# KiCad board Marble.kicad_pcb (continued)
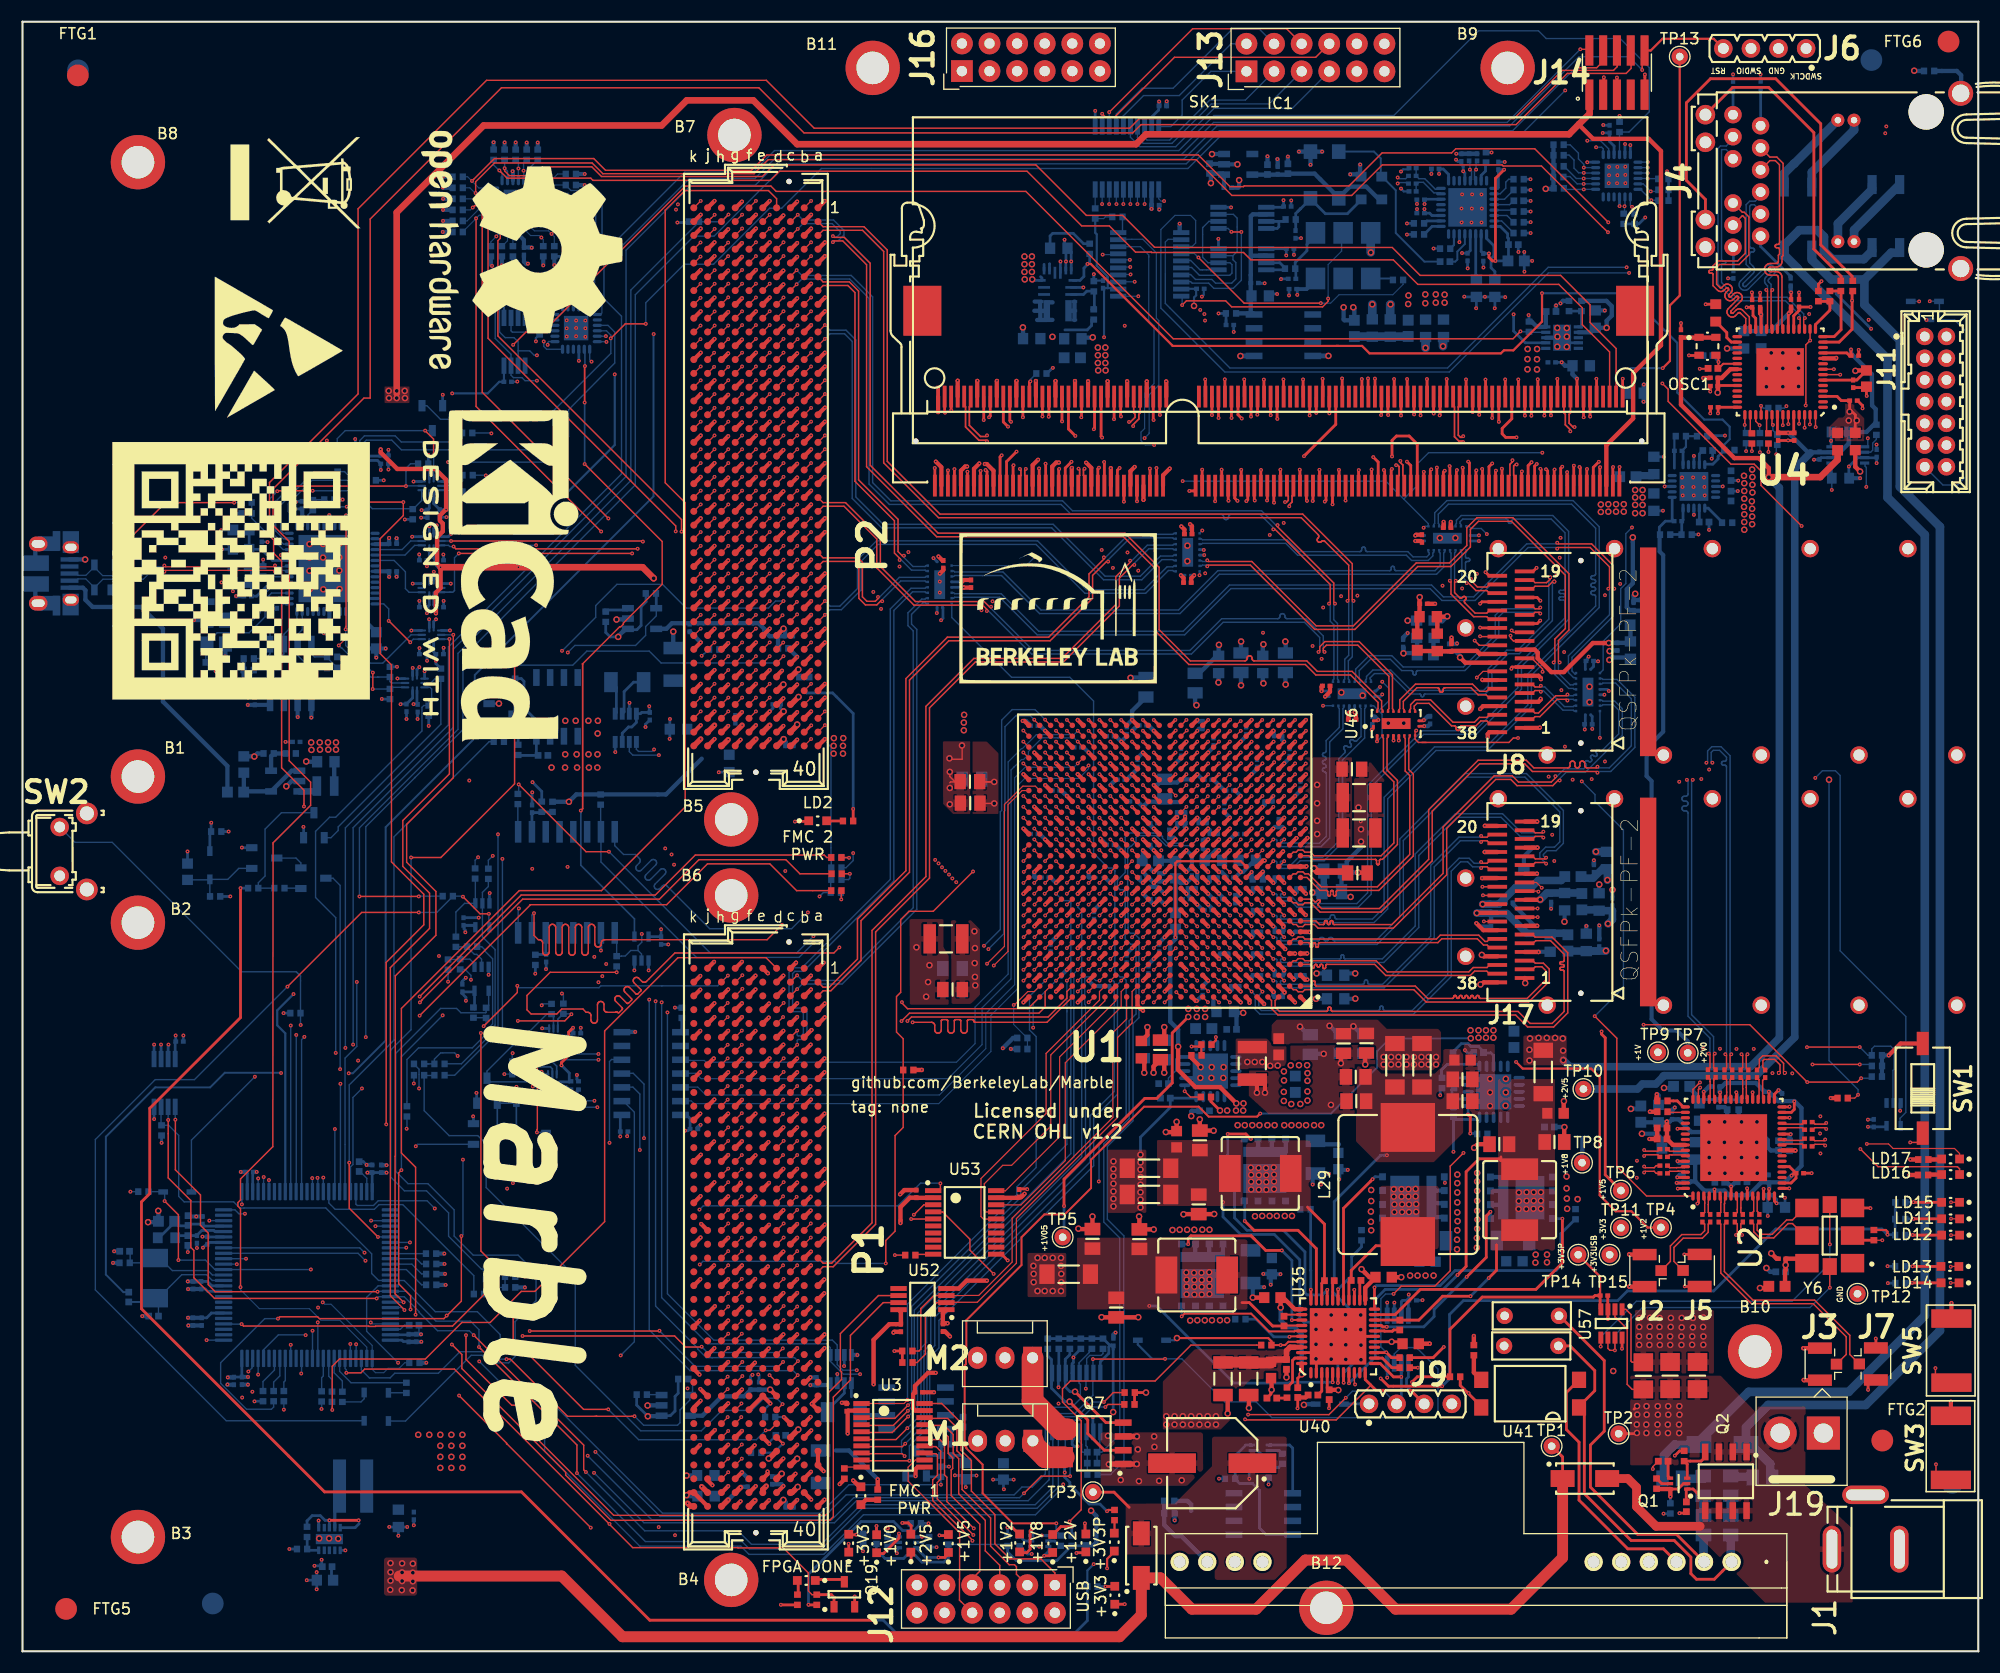
[diagram p0: board, top side]
## Routing (per net, layer and track width the routed paths; a pad name or vN(x,y) marks a point on that pad's centre or on a via; arc(x,y) is an arc through that point) (continued)
/SDRAM/DDR3_DM4: length 44.4
  Top w0.254: U1.AC3 v1(116.12,82.73) ; v1(126.87,113.76) 126.87,113.76 SK1.136
  In4.Cu w0.135: v1(126.87,113.76) 126.87,115.67 127.16,115.97 127.42,115.97 127.71,115.67 127.71,115.07 127.71,115.01 127.73,114.96 127.76,114.92 127.8,114.88 127.84,114.85 127.89,114.83 128,114.82 128.05,114.8 128.1,114.77 128.14,114.74 128.16,114.69 128.18,114.64 128.19,114.59 128.19,114.47 128.18,114.41 128.16,114.36 128.14,114.32 128.1,114.28 128.05,114.25 128,114.23 127.89,114.22 127.84,114.2 127.8,114.17 127.76,114.14 127.73,114.09 127.71,114.04 127.71,113.99 127.71,112.92 128.54,112.09 128.54,106.09 119.16,96.71 119.16,94.81 118.2,93.84 118.2,87.3 116.47,85.58 116.47,83.08 v1(116.12,82.73)
/SDRAM/DDR3_DM5: length 39.6
  Top w0.2: 115.12,83.73 v1(115.15,83.73)
  Top w0.254: v1(132.01,108.73) 131.97,108.68 SK1.153 ; U1.AD4 115.12,83.73
  In7.Cu w0.135: v1(132.01,108.73) 131.28,108 131.23,107.96 131.17,107.93 131.1,107.91 131.04,107.91 130.97,107.93 130.91,107.96 130.86,108 130.71,108.15 130.66,108.19 130.6,108.22 130.53,108.23 130.46,108.23 130.4,108.22 130.34,108.19 130.29,108.15 130.24,108.09 130.22,108.03 130.2,107.97 130.2,107.9 130.22,107.84 130.24,107.77 130.29,107.72 131.01,107 131.05,106.95 131.08,106.89 131.09,106.82 131.09,106.75 131.08,106.69 131.05,106.63 131.01,106.58 130.96,106.53 130.89,106.5 130.83,106.49 130.76,106.49 130.7,106.5 130.64,106.53 130.58,106.58 129.86,107.3 129.81,107.34 129.75,107.37 129.68,107.38 129.62,107.38 129.55,107.37 129.49,107.34 129.44,107.3 129.4,107.25 129.37,107.18 129.35,107.12 129.35,107.05 129.37,106.99 129.4,106.93 129.44,106.87 129.59,106.72 129.63,106.67 129.66,106.61 129.67,106.55 129.67,106.48 129.66,106.41 129.63,106.35 129.59,106.3 124.7,101.41 124.7,93.73 120.62,89.65 120.62,86.46 118.54,84.38 115.8,84.38 v1(115.15,83.73)
/SDRAM/DDR3_DM6: length 48.5
  Top w0.254: U1.W1 v1(118.12,78.73) ; SK1.170 137.07,113.45 136.18,112.56 136.18,112.07 136.51,111.74 v1(137.5,111.74)
  In7.Cu w0.135: v1(118.12,78.73) 120.14,78.73 126.65,85.24 126.65,89.12 129.66,92.12 129.66,98.88 133.69,102.91 133.69,102.94 133.87,103.12 133.89,103.12 137.5,106.72 137.5,108.72 137.86,109.08 137.86,111.38 v1(137.5,111.74)
/SDRAM/DDR3_DM7: length 57.3
  Top w0.254: U1.U7 v1(112.12,76.73) ; SK1.187 142.16,107.3 v1(142.16,108.54)
  In4.Cu w0.135: v1(112.12,76.73) 112.46,77.07 112.95,77.07 113.37,77.49 113.85,77.49 113.95,77.39 119.3,77.39 120.24,78.32 121.36,78.32 122.78,79.7 123.12,79.7 127.91,84.48 127.91,85.31 130.07,87.47 130.07,94.99 131.01,95.93 134.33,95.93 137.92,99.52 137.92,102.02 138.84,102.94 138.87,102.98 138.89,103.03 138.9,103.07 138.9,103.12 138.89,103.17 138.87,103.22 138.81,103.3 138.79,103.34 138.77,103.39 138.77,103.44 138.79,103.49 138.81,103.54 138.84,103.57 138.95,103.68 138.99,103.71 139.03,103.74 139.08,103.75 139.13,103.75 139.18,103.74 139.22,103.71 139.26,103.68 139.54,103.4 139.57,103.38 139.61,103.36 139.65,103.35 139.69,103.35 139.72,103.36 139.76,103.38 139.79,103.4 139.97,103.58 139.99,103.61 140.01,103.65 140.02,103.68 140.02,103.72 140.01,103.76 139.99,103.8 139.97,103.83 139.69,104.11 139.66,104.15 139.63,104.19 139.62,104.24 139.62,104.29 139.63,104.34 139.66,104.38 139.69,104.42 139.79,104.53 139.83,104.56 139.88,104.58 139.93,104.59 139.98,104.59 140.03,104.58 140.07,104.56 140.11,104.53 140.39,104.25 140.42,104.23 140.46,104.21 140.5,104.2 140.53,104.2 140.57,104.21 140.61,104.23 140.64,104.25 140.82,104.43 140.84,104.46 140.86,104.49 140.87,104.53 140.87,104.57 140.86,104.61 140.84,104.64 140.82,104.67 140.54,104.95 140.5,104.99 140.48,105.04 140.47,105.09 140.47,105.14 140.48,105.19 140.5,105.23 140.54,105.27 140.64,105.38 140.68,105.41 140.73,105.43 140.78,105.44 140.83,105.44 140.88,105.43 140.92,105.41 140.96,105.38 141.24,105.1 141.27,105.07 141.31,105.06 141.34,105.05 141.38,105.05 141.42,105.06 141.46,105.07 141.49,105.1 141.67,105.28 141.69,105.31 141.71,105.34 141.71,105.38 141.71,105.42 141.71,105.46 141.69,105.49 141.67,105.52 141.54,105.65 141.54,105.65 141.35,105.84 141.31,105.89 141.28,105.94 141.27,106 141.27,106.06 141.28,106.12 141.31,106.18 141.35,106.23 141.39,106.26 141.43,106.3 141.49,106.33 141.55,106.34 141.61,106.34 141.67,106.33 141.73,106.3 141.82,106.23 141.88,106.2 141.94,106.19 142,106.19 142.06,106.2 142.11,106.23 142.16,106.26 v1(142.16,108.54)
/SDRAM/DDR3_DQ0: length 47.8
  Top w0.254: SK1.5 85.17,108.69 v1(85.18,108.7) ; U1.AF20 v1(98.12,85.73)
  In7.Cu w0.135: v1(85.18,108.7) 85.18,108.14 91.91,101.41 91.91,99.42 93.99,97.34 94.03,97.3 94.08,97.28 94.13,97.27 94.19,97.27 94.24,97.28 94.29,97.3 94.37,97.37 94.42,97.4 94.47,97.41 94.53,97.41 94.58,97.4 94.63,97.37 94.67,97.34 94.75,97.26 94.79,97.21 94.81,97.16 94.82,97.11 94.82,97.06 94.81,97.01 94.79,96.96 94.75,96.91 94.24,96.4 94.2,96.35 94.17,96.29 94.16,96.22 94.16,96.16 94.17,96.09 94.2,96.03 94.24,95.98 94.29,95.94 94.35,95.91 94.42,95.89 94.49,95.89 94.55,95.91 94.61,95.94 94.67,95.98 95.18,96.49 95.22,96.52 95.27,96.55 95.32,96.56 95.38,96.56 95.43,96.55 95.48,96.52 95.52,96.49 95.6,96.41 95.64,96.36 95.66,96.32 95.67,96.26 95.67,96.21 95.66,96.16 95.64,96.11 95.6,96.07 94.98,95.45 94.94,95.39 94.91,95.33 94.9,95.27 94.9,95.2 94.91,95.14 94.94,95.08 94.98,95.02 95.04,94.98 95.1,94.95 95.16,94.94 95.23,94.94 95.29,94.95 95.36,94.98 95.41,95.02 95.86,95.47 95.86,95.46 96.03,95.64 96.07,95.67 96.12,95.69 96.18,95.7 96.23,95.7 96.28,95.69 96.33,95.67 96.37,95.64 96.46,95.55 96.49,95.51 96.51,95.46 96.53,95.41 96.53,95.35 96.51,95.3 96.49,95.25 96.42,95.17 96.4,95.12 96.39,95.07 96.39,95.01 96.4,94.96 96.42,94.91 96.46,94.87 96.49,94.83 96.49,94.1 96.48,94.03 96.46,93.97 96.43,93.91 96.38,93.87 96.32,93.83 96.26,93.81 96.19,93.8 95.86,93.8 95.79,93.79 95.73,93.77 95.67,93.74 95.62,93.69 95.59,93.63 95.57,93.57 95.56,93.5 95.57,93.43 95.59,93.37 95.62,93.31 95.67,93.27 95.73,93.23 95.79,93.21 95.86,93.2 97.12,93.2 97.19,93.19 97.25,93.17 97.31,93.14 97.36,93.09 97.4,93.03 97.42,92.97 97.42,92.9 97.42,92.83 97.4,92.77 97.36,92.71 97.31,92.67 97.25,92.63 97.19,92.61 97.12,92.6 95.86,92.6 95.79,92.59 95.73,92.57 95.67,92.54 95.62,92.49 95.59,92.43 95.57,92.37 95.56,92.3 95.57,92.23 95.59,92.17 95.62,92.11 95.67,92.07 95.73,92.03 95.79,92.01 95.86,92 97.12,92 97.19,91.99 97.25,91.97 97.31,91.94 97.36,91.89 97.4,91.83 97.42,91.77 97.42,91.7 97.42,91.63 97.4,91.57 97.36,91.51 97.31,91.47 97.25,91.43 97.19,91.41 97.12,91.4 95.86,91.4 95.79,91.39 95.73,91.37 95.67,91.34 95.62,91.29 95.59,91.23 95.57,91.17 95.56,91.1 95.57,91.03 95.59,90.97 95.62,90.91 95.67,90.87 95.73,90.83 95.79,90.81 95.86,90.8 97.12,90.8 97.19,90.79 97.25,90.77 97.31,90.74 97.36,90.69 97.4,90.63 97.42,90.57 97.42,90.5 97.42,90.43 97.4,90.37 97.36,90.31 97.31,90.27 97.25,90.23 97.19,90.21 97.12,90.2 96.79,90.2 96.73,90.19 96.66,90.17 96.6,90.14 96.56,90.09 96.52,90.03 96.5,89.97 96.49,89.9 96.49,89.6 96.84,89.25 96.89,89.2 96.92,89.14 96.93,89.07 96.93,89 96.92,88.94 96.89,88.88 96.84,88.82 96.61,88.59 96.57,88.54 96.54,88.48 96.52,88.41 96.52,88.34 96.54,88.28 96.57,88.22 96.61,88.16 96.66,88.12 96.72,88.09 96.79,88.08 96.85,88.08 96.92,88.09 96.98,88.12 97.03,88.16 97.93,89.06 97.98,89.1 98.04,89.13 98.11,89.15 98.17,89.15 98.24,89.13 98.3,89.1 98.35,89.06 98.39,89.01 98.42,88.95 98.44,88.88 98.44,88.81 98.42,88.75 98.39,88.69 98.35,88.64 98.12,88.4 98.08,88.35 98.05,88.29 98.03,88.22 98.03,88.15 98.05,88.09 98.08,88.03 98.12,87.98 v1(98.12,85.73)
/SDRAM/DDR3_DQ1: length 47.7
  Top w0.254: v1(85.77,108.82) 85.77,108.81 SK1.7 ; U1.AF19 v1(99.12,85.73)
  In7.Cu w0.135: v1(85.77,108.82) 85.82,108.77 85.82,107.95 92.52,101.26 92.52,99.9 93.02,99.39 93.06,99.35 93.08,99.3 93.1,99.24 93.1,99.19 93.08,99.13 93.06,99.08 92.99,99 92.97,98.95 92.95,98.89 92.95,98.84 92.97,98.78 92.99,98.73 93.02,98.69 93.1,98.62 93.14,98.58 93.19,98.56 93.24,98.54 93.3,98.54 93.35,98.56 93.41,98.58 93.45,98.62 94.12,99.29 94.17,99.33 94.23,99.36 94.3,99.37 94.37,99.37 94.43,99.36 94.49,99.33 94.54,99.29 94.59,99.23 94.62,99.17 94.63,99.11 94.63,99.04 94.62,98.98 94.59,98.92 94.54,98.86 93.87,98.19 93.84,98.15 93.81,98.1 93.8,98.04 93.8,97.99 93.81,97.93 93.84,97.88 93.87,97.84 93.94,97.77 93.99,97.73 94.04,97.71 94.09,97.7 94.15,97.7 94.2,97.71 94.25,97.73 94.3,97.77 94.97,98.44 95.02,98.48 95.08,98.51 95.15,98.52 95.21,98.52 95.28,98.51 95.34,98.48 95.39,98.44 95.44,98.39 95.46,98.33 95.48,98.26 95.48,98.19 95.46,98.13 95.44,98.07 95.39,98.01 95.11,97.73 95.07,97.68 95.04,97.62 95.02,97.55 95.02,97.49 95.04,97.42 95.07,97.36 95.12,97.3 95.12,97.29 95.12,97.28 95.12,97.27 95.12,97.26 95.12,97.25 95.1,97.23 95.1,97.22 95.1,97.21 95.1,97.2 95.1,97.18 95.1,97.17 95.11,97.17 95.46,96.81 95.47,96.81 95.48,96.8 95.49,96.8 95.51,96.8 95.52,96.8 95.53,96.81 95.53,96.81 96.07,97.34 96.12,97.38 96.18,97.41 96.24,97.43 96.31,97.43 96.38,97.41 96.44,97.38 96.49,97.34 96.53,97.29 96.56,97.23 96.58,97.16 96.58,97.1 96.56,97.03 96.53,96.97 96.49,96.92 95.96,96.39 95.95,96.38 95.95,96.37 95.94,96.36 95.94,96.35 95.95,96.34 95.95,96.33 95.96,96.32 96.31,95.96 96.32,95.96 96.33,95.95 96.34,95.95 96.35,95.95 96.36,95.95 96.37,95.96 96.38,95.96 96.91,96.49 96.97,96.54 97.03,96.57 97.09,96.58 97.16,96.58 97.22,96.57 97.29,96.54 97.34,96.49 97.38,96.44 97.41,96.38 97.42,96.32 97.42,96.25 97.41,96.18 97.38,96.12 97.34,96.07 96.79,95.52 96.78,95.51 96.77,95.49 96.77,95.48 96.77,95.46 96.77,95.44 96.78,95.43 96.79,95.42 97.11,95.1 97.12,95.09 97.14,95.08 97.15,95.08 97.17,95.08 97.19,95.08 97.2,95.09 97.21,95.1 97.76,95.65 97.81,95.69 97.88,95.72 97.94,95.73 98.01,95.73 98.07,95.72 98.13,95.69 98.19,95.65 98.23,95.59 98.26,95.53 98.27,95.47 98.27,95.4 98.26,95.33 98.23,95.27 98.19,95.22 97.2,94.23 97.15,94.18 97.13,94.12 97.11,94.05 97.11,93.99 97.13,93.92 97.15,93.86 97.2,93.81 97.25,93.77 97.31,93.74 97.38,93.72 97.44,93.72 97.51,93.74 97.57,93.77 97.62,93.81 98.61,94.8 98.66,94.84 98.72,94.87 98.79,94.88 98.86,94.88 98.92,94.87 98.98,94.84 99.04,94.8 99.08,94.74 99.11,94.68 99.12,94.62 99.12,94.55 99.11,94.49 99.08,94.43 99.04,94.37 98.75,94.09 98.71,94.04 98.68,93.98 98.67,93.91 98.67,93.84 98.68,93.78 98.71,93.72 98.75,93.67 99.12,93.3 99.12,93 99.11,92.93 99.09,92.87 99.05,92.81 99.01,92.76 98.95,92.73 98.89,92.71 98.82,92.7 98.42,92.7 98.35,92.69 98.29,92.67 98.23,92.63 98.19,92.59 98.15,92.53 98.13,92.46 98.12,92.4 98.13,92.33 98.15,92.27 98.19,92.21 98.23,92.16 98.29,92.13 98.35,92.11 98.42,92.1 98.82,92.1 98.89,92.09 98.95,92.07 99.01,92.03 99.05,91.99 99.09,91.93 99.11,91.86 99.12,91.8 99.11,91.73 99.09,91.67 99.05,91.61 99.01,91.56 98.95,91.53 98.89,91.51 98.82,91.5 98.42,91.5 98.35,91.49 98.29,91.47 98.23,91.43 98.19,91.39 98.15,91.33 98.13,91.26 98.12,91.2 98.13,91.13 98.15,91.07 98.19,91.01 98.23,90.96 98.29,90.93 98.35,90.91 98.42,90.9 98.82,90.9 98.89,90.89 98.95,90.87 99.01,90.83 99.05,90.79 99.09,90.73 99.11,90.66 99.12,90.6 v1(99.12,85.73)
/SDRAM/DDR3_DQ2: length 47.7
  Top w0.254: v1(88.17,108.65) 88.17,108.65 SK1.15 ; U1.AE17 v1(101.12,84.73)
  In7.Cu w0.135: v1(88.17,108.65) 88.35,108.48 89.09,107.76 89.96,107.76 90.21,107.52 90.25,107.47 90.28,107.41 90.29,107.35 90.29,107.29 90.28,107.23 90.25,107.17 90.17,107.08 90.15,107.02 90.13,106.96 90.13,106.9 90.15,106.84 90.17,106.79 90.21,106.74 90.28,106.67 90.33,106.63 90.39,106.6 90.45,106.59 90.51,106.59 90.57,106.6 90.62,106.63 90.67,106.67 90.87,106.86 90.87,106.86 91.38,107.37 91.43,107.42 91.5,107.45 91.57,107.47 91.64,107.47 91.72,107.45 91.78,107.42 91.84,107.37 91.88,107.32 91.91,107.25 91.93,107.18 91.93,107.11 91.91,107.04 91.88,106.97 91.84,106.91 91.15,106.22 91.11,106.18 91.09,106.13 91.08,106.08 91.08,106.02 91.09,105.97 91.11,105.92 91.15,105.87 91.26,105.77 91.3,105.73 91.35,105.71 91.4,105.69 91.46,105.69 91.51,105.71 91.56,105.73 91.61,105.77 92.3,106.45 92.35,106.5 92.42,106.53 92.49,106.55 92.56,106.55 92.63,106.53 92.7,106.5 92.76,106.45 92.8,106.4 92.83,106.33 92.85,106.26 92.85,106.19 92.83,106.12 92.8,106.05 92.76,105.99 92.07,105.31 92.03,105.26 92.01,105.21 92,105.16 92,105.1 92.01,105.05 92.03,105 92.07,104.95 92.17,104.85 92.22,104.81 92.27,104.79 92.32,104.77 92.38,104.77 92.43,104.79 92.48,104.81 92.53,104.85 93.22,105.53 93.27,105.58 93.34,105.61 93.41,105.63 93.48,105.63 93.55,105.61 93.62,105.58 93.68,105.53 93.72,105.48 93.75,105.41 93.77,105.34 93.77,105.27 93.75,105.2 93.72,105.13 93.68,105.08 92.99,104.39 92.95,104.34 92.93,104.29 92.92,104.24 92.92,104.18 92.93,104.13 92.95,104.08 92.99,104.03 93.09,103.93 93.14,103.89 93.19,103.87 93.24,103.86 93.3,103.86 93.35,103.87 93.4,103.89 93.45,103.93 94.14,104.62 94.19,104.66 94.26,104.69 94.33,104.71 94.4,104.71 94.47,104.69 94.54,104.66 94.6,104.62 94.64,104.56 94.67,104.49 94.69,104.42 94.69,104.35 94.67,104.28 94.64,104.21 94.6,104.16 93.91,103.47 93.87,103.42 93.85,103.37 93.83,103.32 93.83,103.26 93.85,103.21 93.87,103.16 93.91,103.11 94.01,103.01 94.06,102.97 94.11,102.95 94.16,102.94 94.22,102.94 94.27,102.95 94.32,102.97 94.37,103.01 95.05,103.7 95.11,103.74 95.18,103.77 95.25,103.79 95.32,103.79 95.39,103.77 95.46,103.74 95.51,103.7 95.56,103.64 95.59,103.57 95.61,103.5 95.61,103.43 95.59,103.36 95.56,103.29 95.51,103.24 94.83,102.55 94.79,102.5 94.77,102.45 94.75,102.4 94.75,102.34 94.77,102.29 94.79,102.24 94.83,102.19 94.93,102.09 94.98,102.05 95.03,102.03 95.08,102.02 95.14,102.02 95.19,102.03 95.24,102.05 95.29,102.09 95.97,102.78 96.03,102.82 96.1,102.85 96.17,102.87 96.24,102.87 96.31,102.85 96.38,102.82 96.43,102.78 96.48,102.72 96.51,102.65 96.53,102.58 96.53,102.51 96.51,102.44 96.48,102.37 96.43,102.32 96.15,102.03 96.11,101.98 96.07,101.91 96.06,101.84 96.06,101.77 96.07,101.7 96.11,101.63 96.15,101.58 101.65,96.08 101.65,89.97 101.51,89.83 101.51,85.12 v1(101.12,84.73)
/SDRAM/DDR3_DQ3: length 47.8
  Top w0.254: v1(88.64,108.73) 88.77,108.6 SK1.17 ; U1.AE15 v1(103.12,84.73)
  In7.Cu w0.135: v1(103.12,84.73) 102.68,85.17 102.68,89.88 102.61,89.94 102.61,96.23 98.31,100.55 98.31,101.74 97.1,102.95 97.06,103.01 97.03,103.07 97.01,103.13 97.01,103.2 97.03,103.26 97.06,103.32 97.1,103.38 97.34,103.62 97.38,103.67 97.41,103.73 97.42,103.79 97.42,103.86 97.41,103.93 97.38,103.99 97.34,104.04 97.28,104.08 97.22,104.11 97.16,104.13 97.09,104.13 97.02,104.11 96.96,104.08 96.91,104.04 96.31,103.43 96.27,103.4 96.22,103.38 96.18,103.37 96.13,103.37 96.08,103.38 96.04,103.4 96,103.43 95.88,103.55 95.85,103.59 95.83,103.63 95.82,103.68 95.82,103.73 95.83,103.78 95.85,103.82 95.88,103.86 96.49,104.46 96.53,104.52 96.56,104.58 96.57,104.64 96.57,104.71 96.56,104.78 96.53,104.84 96.49,104.89 96.44,104.93 96.37,104.96 96.31,104.97 96.24,104.97 96.18,104.96 96.12,104.93 96.06,104.89 95.44,104.27 95.4,104.23 95.35,104.21 95.3,104.2 95.24,104.2 95.19,104.21 95.14,104.23 95.1,104.27 95.02,104.35 94.98,104.39 94.96,104.44 94.95,104.49 94.95,104.54 94.96,104.6 94.98,104.65 95.02,104.69 95.64,105.31 95.68,105.37 95.71,105.43 95.73,105.49 95.73,105.56 95.71,105.62 95.68,105.68 95.64,105.74 95.59,105.78 95.53,105.81 95.46,105.82 95.39,105.82 95.33,105.81 95.27,105.78 95.21,105.74 94.53,105.05 94.47,105.01 94.41,104.98 94.35,104.96 94.28,104.96 94.21,104.98 94.15,105.01 94.1,105.05 94.06,105.1 94.03,105.16 94.02,105.23 94.02,105.29 94.03,105.36 94.06,105.42 94.1,105.47 94.79,106.16 94.83,106.21 94.86,106.27 94.88,106.34 94.88,106.41 94.86,106.47 94.83,106.53 94.79,106.59 94.74,106.63 94.68,106.66 94.61,106.67 94.54,106.67 94.48,106.66 94.42,106.63 94.37,106.59 93.74,105.96 93.7,105.93 93.65,105.91 93.6,105.89 93.54,105.89 93.49,105.91 93.44,105.93 93.4,105.96 93.32,106.04 93.29,106.09 93.26,106.13 93.25,106.19 93.25,106.24 93.26,106.3 93.29,106.34 93.32,106.39 93.94,107.01 93.98,107.06 94.01,107.12 94.03,107.19 94.03,107.26 94.01,107.32 93.98,107.38 93.94,107.43 93.89,107.48 93.83,107.5 93.76,107.52 93.7,107.52 93.63,107.5 93.57,107.48 93.52,107.43 92.91,106.83 92.87,106.8 92.83,106.78 92.78,106.77 92.73,106.77 92.69,106.78 92.64,106.8 92.6,106.83 92.49,106.94 92.46,106.98 92.44,107.03 92.43,107.07 92.43,107.12 92.44,107.17 92.46,107.21 92.49,107.25 93.09,107.86 93.14,107.91 93.16,107.97 93.18,108.04 93.18,108.1 93.16,108.17 93.14,108.23 93.09,108.28 93.04,108.32 92.98,108.35 92.91,108.37 92.85,108.37 92.78,108.35 92.72,108.32 92.67,108.28 92.22,107.83 92.21,107.84 92.08,107.7 92.04,107.67 92,107.65 91.96,107.64 91.92,107.64 91.88,107.65 91.84,107.67 91.8,107.7 91.65,107.85 91.63,107.88 91.61,107.92 91.6,107.97 91.6,108.01 91.61,108.05 91.63,108.09 91.68,108.16 91.7,108.2 91.71,108.24 91.71,108.28 91.7,108.32 91.68,108.36 91.65,108.4 91.49,108.56 88.81,108.56 v1(88.64,108.73)
/SDRAM/DDR3_DQ4: length 47.7
  Top w0.254: U1.AD16 v1(102.12,83.73) ; v1(84.91,114.01) 84.87,114.05 SK1.4
  In4.Cu w0.135: v1(84.91,114.01) 85.08,113.84 85.6,113.84 85.77,114.01 97.57,114.01 99.92,111.66 99.92,109.35 99.82,109.25 99.82,105.57 99.82,105.57 99.82,104.38 100.78,103.42 100.78,98.91 102.46,97.23 102.46,90.09 102.68,89.88 102.68,89.43 102.46,89.22 102.46,84.07 v1(102.12,83.73)
/SDRAM/DDR3_DQ5: length 47.8
  Top w0.135: 85.47,114.24 v1(85.48,114.23)
  Top w0.254: SK1.6 85.47,114.24 ; U1.AD15 v1(103.12,83.73)
  In4.Cu w0.135: v1(85.48,114.23) 85.66,114.4 88.19,114.4 88.2,114.4 88.21,114.4 88.23,114.39 88.24,114.38 88.24,114.37 88.25,114.36 88.25,114.33 88.25,114.32 88.26,114.31 88.27,114.3 88.28,114.29 88.29,114.28 88.31,114.28 88.79,114.28 88.8,114.28 88.81,114.29 88.83,114.3 88.84,114.31 88.84,114.32 88.85,114.33 88.85,114.36 88.85,114.37 88.86,114.38 88.87,114.39 88.88,114.4 88.89,114.4 88.91,114.4 98.12,114.4 100.58,111.94 100.58,108.78 100.49,108.69 100.49,104.38 101.1,103.77 101.1,99.29 102.78,97.62 102.78,90.11 102.91,89.98 102.91,89.33 102.78,89.19 102.78,84.07 v1(103.12,83.73)
/SDRAM/DDR3_DQ6: length 47.7
  Top w0.254: v1(88.47,113.34) 88.47,113.34 SK1.16 ; U1.AF15 v1(103.12,85.73)
  In7.Cu w0.135: v1(103.12,85.73) 103.12,100.97 101.22,102.87 99.81,102.87 98.16,104.52 98.11,104.56 98.05,104.59 97.98,104.61 97.91,104.61 97.85,104.59 97.79,104.56 97.73,104.52 97.68,104.47 97.63,104.43 97.57,104.4 97.5,104.38 97.44,104.38 97.37,104.4 97.31,104.43 97.26,104.47 97.22,104.52 97.19,104.58 97.17,104.65 97.17,104.71 97.19,104.78 97.22,104.84 97.26,104.89 97.93,105.56 97.97,105.62 98,105.68 98.02,105.74 98.02,105.81 98,105.88 97.97,105.94 97.93,105.99 97.88,106.03 97.82,106.06 97.75,106.07 97.68,106.07 97.62,106.06 97.56,106.03 97.5,105.99 96.83,105.32 96.78,105.27 96.72,105.25 96.65,105.23 96.59,105.23 96.52,105.25 96.46,105.27 96.41,105.32 96.37,105.37 96.34,105.43 96.32,105.49 96.32,105.56 96.34,105.63 96.37,105.69 96.41,105.74 97.08,106.41 97.12,106.47 97.15,106.53 97.17,106.59 97.17,106.66 97.15,106.72 97.12,106.78 97.08,106.84 97.03,106.88 96.97,106.91 96.9,106.92 96.83,106.92 96.77,106.91 96.71,106.88 96.66,106.84 95.98,106.16 95.93,106.12 95.87,106.09 95.81,106.08 95.74,106.08 95.67,106.09 95.61,106.12 95.56,106.16 95.52,106.22 95.49,106.28 95.47,106.34 95.47,106.41 95.49,106.48 95.52,106.54 95.56,106.59 96.23,107.26 96.27,107.31 96.3,107.37 96.32,107.44 96.32,107.51 96.3,107.57 96.27,107.63 96.23,107.69 96.18,107.73 96.12,107.76 96.05,107.77 95.99,107.77 95.92,107.76 95.86,107.73 95.81,107.69 95.14,107.01 95.08,106.97 95.02,106.94 94.96,106.93 94.89,106.93 94.82,106.94 94.76,106.97 94.71,107.01 94.67,107.07 94.64,107.13 94.63,107.19 94.63,107.26 94.64,107.32 94.67,107.39 94.71,107.44 94.76,107.49 94.81,107.54 94.84,107.6 94.85,107.67 94.85,107.74 94.84,107.8 94.81,107.86 94.76,107.92 94.66,108.02 94.66,109.93 93.25,111.34 90.21,111.34 89.77,111.78 89.77,112.03 v1(88.47,113.34)
/SDRAM/DDR3_DQ7: length 47.8
  Top w0.254: v1(88.96,113.6) 89.07,113.7 SK1.18 ; U1.AF14 v1(104.12,85.73)
  In7.Cu w0.135: v1(104.12,85.73) 104.12,100.78 101.5,103.4 101.43,103.46 101.34,103.5 101.25,103.52 101.15,103.52 101.06,103.5 100.97,103.46 100.9,103.4 100.84,103.34 100.77,103.29 100.68,103.24 100.59,103.22 100.5,103.22 100.4,103.24 100.32,103.29 100.24,103.34 100.18,103.42 100.14,103.5 100.12,103.6 100.12,103.69 100.14,103.79 100.18,103.87 100.24,103.95 100.96,104.66 101.02,104.73 101.06,104.82 101.08,104.91 101.08,105.01 101.06,105.1 101.02,105.19 100.96,105.26 100.88,105.32 100.8,105.36 100.7,105.38 100.61,105.38 100.52,105.36 100.43,105.32 100.36,105.26 99.64,104.55 99.57,104.49 99.48,104.45 99.39,104.42 99.29,104.42 99.2,104.45 99.12,104.49 99.04,104.55 98.98,104.62 98.94,104.71 98.92,104.8 98.92,104.89 98.94,104.99 98.98,105.07 99.04,105.15 99.75,105.86 99.81,105.94 99.86,106.02 99.88,106.11 99.88,106.21 99.86,106.3 99.81,106.39 99.75,106.46 99.68,106.52 99.59,106.56 99.5,106.58 99.41,106.58 99.31,106.56 99.23,106.52 99.15,106.46 98.65,105.95 98.61,105.92 98.56,105.9 98.52,105.89 98.47,105.89 98.42,105.9 98.38,105.92 98.34,105.95 98.04,106.25 98.01,106.29 97.99,106.33 97.98,106.38 97.98,106.43 97.99,106.47 98.01,106.52 98.04,106.55 98.55,107.06 98.61,107.14 98.65,107.22 98.67,107.32 98.67,107.41 98.65,107.5 98.61,107.59 98.55,107.66 98.48,107.72 98.39,107.76 98.3,107.79 98.2,107.79 98.11,107.76 98.03,107.72 97.95,107.66 97.59,107.31 97.59,107.31 97.44,107.16 97.4,107.13 97.35,107.11 97.31,107.1 97.26,107.1 97.21,107.11 97.17,107.13 97.13,107.16 96.83,107.46 96.8,107.5 96.78,107.54 96.77,107.59 96.77,107.64 96.78,107.68 96.8,107.73 96.86,107.8 96.89,107.84 96.9,107.89 96.9,107.94 96.89,107.99 96.86,108.03 96.83,108.07 95.97,108.93 95.97,110.73 94.54,112.17 90.39,112.17 v1(88.96,113.6)
/SDRAM/DDR3_DQ8: length 44.3
  Top w0.254: U1.V17 v1(101.12,77.73) ; SK1.21 89.97,109.94 v1(90.11,110.09)
  In9.Cu w0.135: v1(101.12,77.73) 100.78,78.07 100.78,91.58 95.69,96.66 95.65,96.69 95.61,96.72 95.56,96.73 95.51,96.73 95.46,96.72 95.42,96.69 95.34,96.63 95.3,96.61 95.25,96.6 95.2,96.6 95.15,96.61 95.11,96.63 95.07,96.66 94.96,96.78 94.93,96.82 94.91,96.86 94.89,96.91 94.89,96.96 94.91,97.01 94.93,97.05 94.96,97.09 95.25,97.38 95.28,97.41 95.29,97.45 95.3,97.5 95.3,97.54 95.29,97.58 95.28,97.62 95.25,97.65 95.1,97.8 95.07,97.83 95.03,97.85 94.98,97.86 94.94,97.86 94.9,97.85 94.86,97.83 94.82,97.8 94.69,97.67 94.68,97.67 94.53,97.52 94.49,97.49 94.45,97.46 94.4,97.45 94.35,97.45 94.3,97.46 94.26,97.49 94.22,97.52 94.1,97.63 94.07,97.67 94.05,97.71 94.04,97.76 94.04,97.81 94.05,97.86 94.07,97.9 94.13,97.98 94.16,98.02 94.17,98.07 94.17,98.12 94.16,98.17 94.13,98.21 94.1,98.25 93.94,98.41 93.94,109.05 93.81,109.17 93.81,109.85 93.58,110.08 90.37,110.08 90.36,110.09 v1(90.11,110.09)
/SDRAM/DDR3_DQ9: length 52.8
  Top w0.254: U1.Y17 v1(101.12,79.73) ; SK1.23 90.57,109.51 v1(91.49,110.43)
  In9.Cu w0.135: 101.48,87.44 101.48,87.48 ; 101.48,87.44 101.48,87.65 101.15,87.98 101.15,92.13 101.08,92.21 101.05,92.24 101.02,92.29 101.01,92.34 101.01,92.39 101.02,92.44 101.05,92.48 101.11,92.56 101.13,92.61 101.14,92.66 101.14,92.71 101.13,92.76 101.11,92.8 101.08,92.84 100.97,92.95 100.93,92.98 100.89,93 100.84,93.01 100.79,93.01 100.74,93 100.69,92.98 100.65,92.95 100.35,92.65 100.32,92.62 100.28,92.6 100.23,92.59 100.19,92.59 100.14,92.6 100.1,92.62 100.07,92.65 99.93,92.79 99.9,92.82 99.88,92.86 99.87,92.91 99.87,92.95 99.88,93 99.9,93.04 99.93,93.07 100.23,93.37 100.26,93.41 100.28,93.46 100.29,93.51 100.29,93.56 100.28,93.61 100.26,93.65 100.23,93.69 100.12,93.8 100.08,93.83 100.04,93.85 99.99,93.86 99.94,93.86 99.89,93.85 99.84,93.83 99.8,93.8 99.5,93.5 99.47,93.47 99.43,93.45 99.38,93.44 99.34,93.44 99.3,93.45 99.26,93.47 99.22,93.5 99.08,93.64 99.05,93.67 99.03,93.71 99.02,93.76 99.02,93.8 99.03,93.84 99.05,93.88 99.08,93.92 99.38,94.22 99.41,94.26 99.43,94.31 99.44,94.35 99.44,94.4 99.43,94.45 99.41,94.5 99.38,94.54 99.27,94.64 99.23,94.68 99.19,94.7 99.14,94.71 99.09,94.71 99.04,94.7 98.99,94.68 98.96,94.64 98.65,94.34 98.62,94.32 98.58,94.3 98.54,94.29 98.49,94.29 98.45,94.3 98.41,94.32 98.37,94.34 98.23,94.49 98.2,94.52 98.18,94.56 98.17,94.6 98.17,94.65 98.18,94.69 98.2,94.73 98.23,94.77 98.53,95.07 98.56,95.11 98.58,95.15 98.6,95.2 98.6,95.25 98.58,95.3 98.56,95.35 98.53,95.39 98.42,95.49 98.39,95.52 98.34,95.55 98.29,95.56 98.24,95.56 98.19,95.55 98.15,95.52 98.11,95.49 97.81,95.19 97.77,95.16 97.73,95.15 97.69,95.14 97.64,95.14 97.6,95.15 97.56,95.16 97.52,95.19 97.38,95.33 97.35,95.37 97.33,95.41 97.32,95.45 97.32,95.5 97.33,95.54 97.35,95.58 97.38,95.62 97.68,95.92 97.71,95.96 97.74,96 97.75,96.05 97.75,96.1 97.74,96.15 97.71,96.2 97.68,96.24 97.58,96.34 97.54,96.37 97.49,96.4 97.44,96.41 97.39,96.41 97.34,96.4 97.3,96.37 97.26,96.34 96.96,96.04 96.92,96.01 96.88,95.99 96.84,95.98 96.79,95.98 96.75,95.99 96.71,96.01 96.67,96.04 96.53,96.18 96.51,96.22 96.49,96.26 96.48,96.3 96.48,96.35 96.49,96.39 96.51,96.43 96.53,96.47 96.83,96.77 96.87,96.81 96.89,96.85 96.9,96.9 96.9,96.95 96.89,97 96.87,97.04 96.83,97.08 96.73,97.19 96.69,97.22 96.64,97.24 96.59,97.25 96.54,97.25 96.49,97.24 96.45,97.22 96.41,97.19 96.11,96.89 96.07,96.86 96.03,96.84 95.99,96.83 95.95,96.83 95.9,96.84 95.86,96.86 95.83,96.89 95.68,97.03 95.66,97.07 95.64,97.11 95.63,97.15 95.63,97.2 95.64,97.24 95.66,97.28 95.68,97.31 95.99,97.61 96.02,97.65 96.04,97.7 96.05,97.75 96.05,97.8 96.04,97.85 96.02,97.89 95.99,97.93 95.88,98.04 95.84,98.07 95.79,98.09 95.75,98.1 95.69,98.1 95.65,98.09 95.6,98.07 95.52,98.01 95.48,97.99 95.43,97.97 95.38,97.97 95.33,97.99 95.28,98.01 95.24,98.04 94.52,98.76 94.53,98.77 94.53,98.79 94.54,98.8 94.55,98.82 94.57,98.82 94.58,98.83 94.62,98.83 94.63,98.84 94.65,98.85 94.66,98.86 94.67,98.87 94.67,98.89 94.67,98.91 94.67,99.36 94.67,99.37 94.67,99.39 94.66,99.4 94.65,99.42 94.63,99.42 94.62,99.43 94.6,99.43 94.37,99.43 94.34,99.44 94.31,99.45 94.28,99.46 94.26,99.49 94.24,99.52 94.23,99.55 94.22,99.58 94.22,99.88 94.23,99.92 94.24,99.95 94.26,99.98 94.28,100 94.31,100.02 94.34,100.03 94.37,100.03 94.6,100.03 94.62,100.03 94.63,100.04 94.65,100.05 94.66,100.06 94.67,100.07 94.67,100.09 94.67,100.11 94.67,100.56 94.67,100.57 94.67,100.59 94.66,100.6 94.65,100.62 94.63,100.62 94.62,100.63 94.6,100.63 94.37,100.63 94.34,100.64 94.31,100.65 94.28,100.66 94.26,100.69 94.24,100.72 94.23,100.75 94.22,100.78 94.22,101.08 94.23,101.12 94.24,101.15 94.26,101.18 94.28,101.2 94.31,101.22 94.34,101.23 94.37,101.23 94.6,101.23 94.62,101.23 94.63,101.24 94.65,101.25 94.66,101.26 94.67,101.27 94.67,101.29 94.67,101.31 94.67,101.76 94.67,101.77 94.67,101.79 94.66,101.8 94.65,101.82 94.63,101.82 94.62,101.83 94.6,101.83 94.37,101.83 94.34,101.84 94.31,101.85 94.28,101.86 94.26,101.89 94.24,101.92 94.23,101.95 94.22,101.98 94.22,102.28 94.23,102.32 94.24,102.35 94.26,102.38 94.28,102.4 94.31,102.42 94.34,102.43 94.37,102.43 94.6,102.43 94.62,102.43 94.63,102.44 94.65,102.45 94.66,102.46 94.67,102.47 94.67,102.49 94.67,102.51 94.67,102.96 94.67,102.97 94.67,102.99 94.66,103 94.65,103.02 94.63,103.02 94.62,103.03 94.6,103.03 94.37,103.03 94.34,103.04 94.31,103.05 94.28,103.06 94.26,103.09 94.24,103.12 94.23,103.15 94.22,103.18 94.22,103.48 94.23,103.52 94.24,103.55 94.26,103.58 94.28,103.6 94.31,103.62 94.34,103.63 94.37,103.63 94.6,103.63 94.62,103.63 94.63,103.64 94.65,103.65 94.66,103.66 94.67,103.67 94.67,103.69 94.67,103.71 94.67,104.16 94.67,104.17 94.67,104.19 94.66,104.2 94.65,104.22 94.63,104.22 94.62,104.23 94.6,104.23 94.37,104.23 94.34,104.24 94.31,104.25 94.28,104.26 94.26,104.29 94.24,104.32 94.23,104.35 94.22,104.38 94.22,104.68 94.23,104.72 94.24,104.75 94.26,104.78 94.28,104.8 94.31,104.82 94.34,104.83 94.37,104.83 94.6,104.83 94.62,104.83 94.63,104.84 94.65,104.85 94.66,104.86 94.67,104.87 94.67,104.89 94.67,104.91 94.67,105.36 94.67,105.37 94.67,105.39 94.66,105.4 94.65,105.42 94.63,105.42 94.62,105.43 94.58,105.43 94.57,105.44 94.55,105.45 94.54,105.46 94.53,105.47 94.53,105.49 94.52,105.51 94.52,109.74 93.84,110.43 v1(91.49,110.43) ; 101.48,87.44 101.48,80.58 101.12,80.22 v1(101.12,79.73)
